# Allegro board 1140022-KU060_PCIE_FIBER_BOARD_V001_pcb166_20240120_1835_pcb.brd (continued)
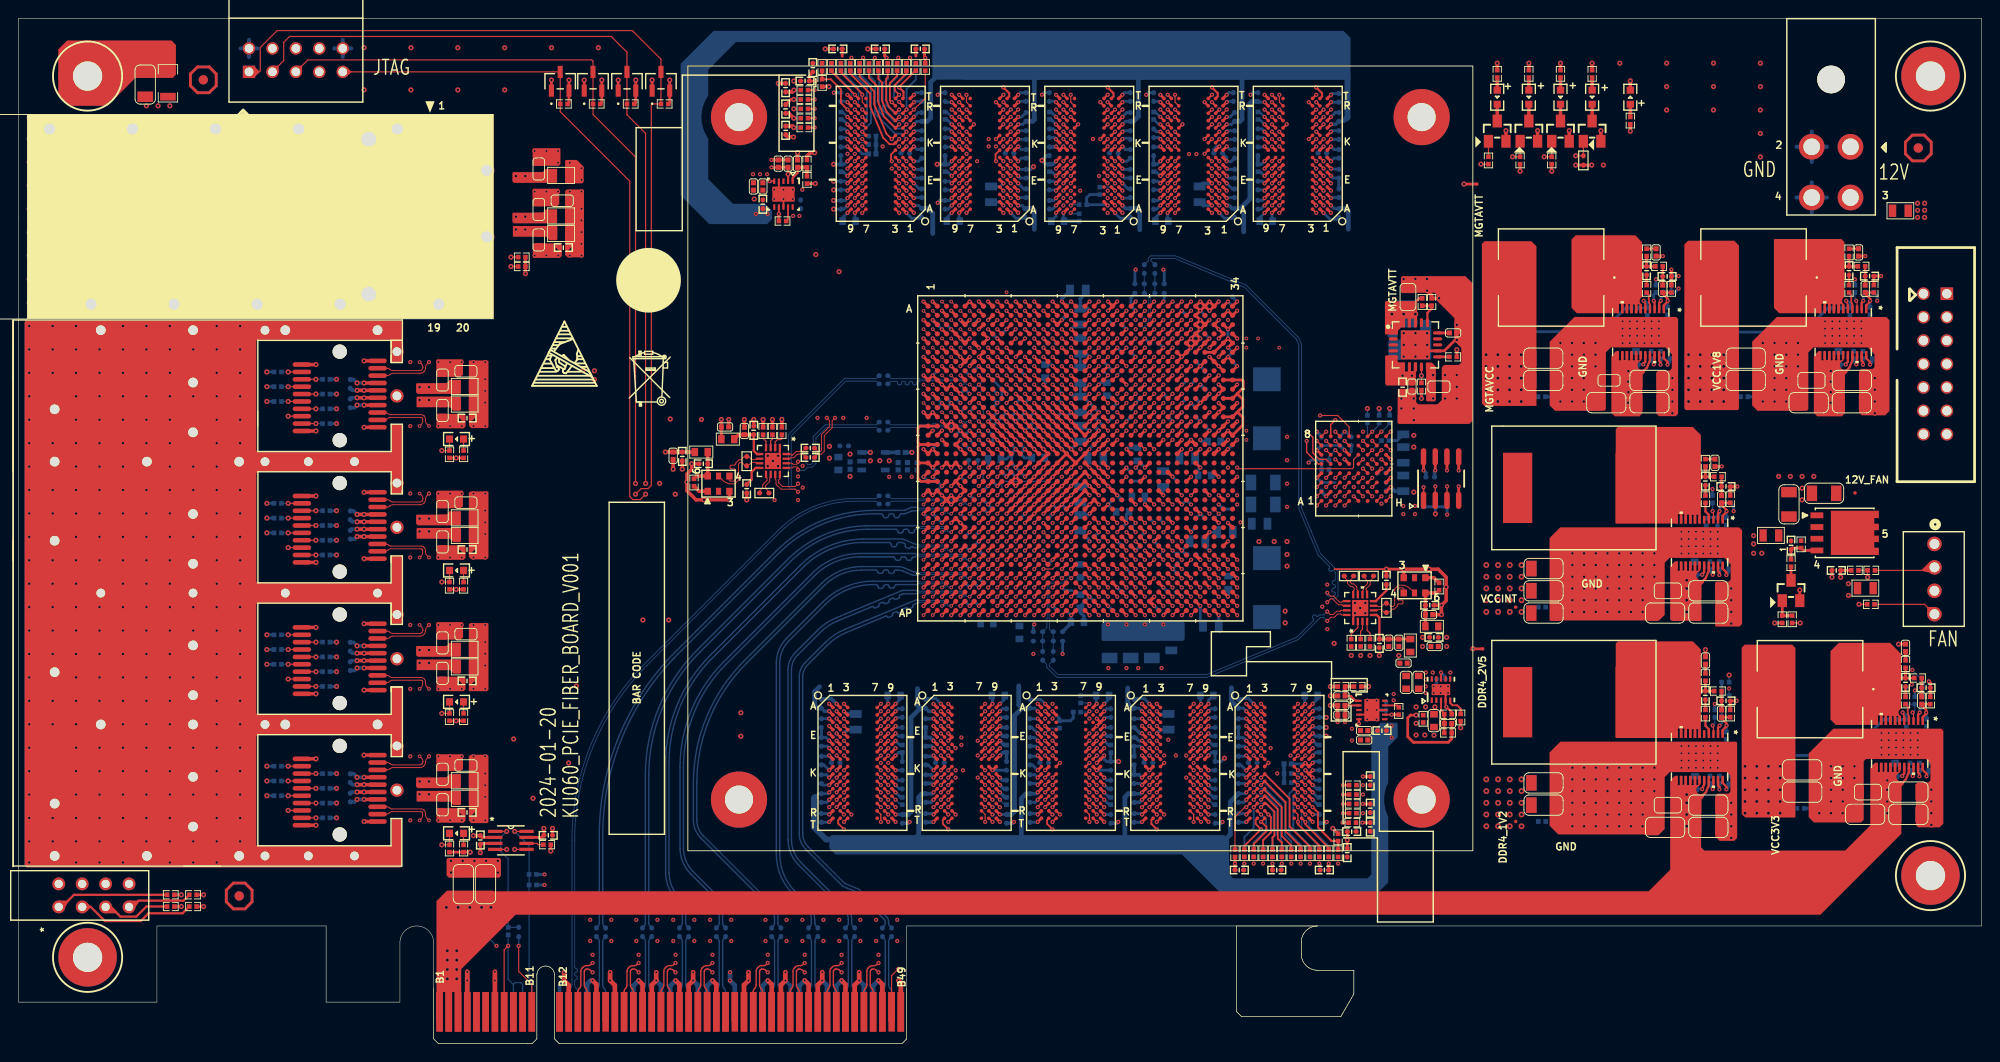
[diagram p0: board, top side]
## Routing (per net, layer and track width the routed paths; a pad name or vN(x,y) marks a point on that pad's centre or on a via; arc(x,y) is an arc through that point) (continued)
DDR4_1V2_EN: length 5.8
  TOP w0.254: U114.2 184.24,34.24 184.41,34.42 v1(184.41,34.49)
  BOTTOM w0.254: v1(184.41,34.49) 184.64,34.72 R655.1
  BOTTOM w0.305: R655.1 R849.1
DDR4_1V2_GOOD: length 58.6
  TOP w0.127: U114.3 183.74,34.39 v1(183.65,34.49)
  ART10 w0.086: v1(183.65,34.49) 183.65,34.98 184.89,36.22 184.89,36.83 186.49,38.43 186.49,44.81 189.99,48.31 189.99,58.8 180.16,68.63 180.16,81.03 180.54,81.41 180.54,82.64 v1(179.96,83.22)
  BOTTOM w0.127: v1(183.65,34.49) 183.89,34.73 R637.2
  BOTTOM w0.254: R658.2 v1(179.96,83.22)
DDR4_200M_N: length 7.1
  TOP w0.102: U129.7 147.27,47.47 147.37,47.37 147.73,47.37 148.11,47.75 R1285.2 148.44,47.75 148.8,47.39 149.01,47.39 149.18,47.57 149.18,49.31 149.57,49.7 150.2,49.7 150.55,49.55 150.83,49.37 X1.5
DDR4_200M_P: length 7
  TOP w0.102: U129.6 147.3,46.97 147.41,47.08 147.72,47.08 148.06,46.74 R1285.1 148.54,46.74 148.9,47.1 149.13,47.1 149.48,47.45 149.48,47.55 149.6,47.67 149.99,47.67 150.09,47.77 150.09,47.97 149.99,48.08 149.6,48.08 149.48,48.2 149.48,49.19 149.69,49.4 150.06,49.4 150.16,49.3 X1.4
FPGA_VCCO_GOOD: length 83.1
  ART03 w0.086: v1(179.96,81.86) 180.49,82.4 180.49,88.16 181.1,88.77 201.42,88.77 203.76,86.44 203.76,46.94 205.79,44.91 205.79,39.49 v1(205.23,38.93)
  BOTTOM w0.127: v1(205.23,38.93) 204.56,38.26 R987.1
  BOTTOM w0.254: R660.2 179.18,81.5 R658.1
  BOTTOM w0.305: R660.2 179.58,81.48 v1(179.96,81.86)
PCIE_PRSNT_N: length 11.9
  BOTTOM w0.127: U249.A1 45.65,11.13 46.38,11.86 R1238.1
PCIE_REFCLK_N: length 72.6
  BOTTOM w0.102: C72.2 93.15,58.66 arc(92.99,58.76) 92.81,58.8 90.64,58.8 arc(86.29,57.94) 82.6,55.47 68.15,41.02 arc(62.34,32.32) 60.3,22.07 60.3,8.28 arc(60.34,8.18) 60.44,8.14 arc(60.54,8.1) 60.58,8 60.58,7.87 arc(60.54,7.77) 60.44,7.73 arc(60.34,7.69) 60.3,7.59 60.3,7.47 arc(60.34,7.37) 60.44,7.32 arc(60.54,7.28) 60.58,7.18 60.58,7.06 arc(60.54,6.96) 60.44,6.92 arc(60.34,6.88) 60.3,6.78 60.3,6.38 arc(60.34,6.18) 60.45,6.02 60.5,5.96 arc(60.61,5.8) 60.65,5.6 U249.A14
PCIE_REFCLK_P: length 72.4
  BOTTOM w0.102: C70.2 93.15,59.24 arc(92.99,59.13) 92.81,59.1 90.64,59.1 arc(86.17,58.21) 82.39,55.68 67.94,41.23 arc(62.06,32.44) 60,22.07 60,6.38 arc(59.96,6.18) 59.85,6.02 59.8,5.96 arc(59.69,5.8) 59.65,5.6 U249.A13
PCIE_RST_N: length 21.6
  TOP w0.127: U154.8 v3(53.79,23)
  BOTTOM w0.127: U249.A11 55.65,6.78 55.35,7.08 R1242.2 R1241.1 55.35,21.44 v3(53.79,23)
PCIE_RST_N_LS: length 116.1
  TOP w0.127: U154.5 v3(53.79,21.05)
  TOP w0.155: U1.K22 v1(119.11,70.45)
  ART03 w0.086: v3(62.43,72.95) 62.99,72.39 62.99,71.73 54.84,63.58 54.84,22.1 v3(53.79,21.05)
  ART05 w0.086: v3(62.43,72.95) 62.71,72.67 93.12,72.67 95.9,69.89 118.54,69.89 v1(119.11,70.45)
PCIE_RXD_0_N: length 79
  TOP w0.15: U249.B15 61.65,5.61 arc(61.61,5.81) 61.5,5.97 61.48,5.99 arc(61.37,6.15) 61.34,6.34 61.34,7.84 arc(61.35,7.89) 61.38,7.93 61.48,8.04 arc(61.52,8.07) 61.58,8.08 61.71,8.08 arc(61.86,8.05) 61.99,7.96 v1(62.23,7.72) ; v2(98.11,58.45) U1.AB1
  ART12 w0.114: v2(98.11,58.45) 98.11,58.41 arc(98.07,58.33) 97.99,58.29 97.38,58.29 arc(97.29,58.33) 97.25,58.42 arc(97.22,58.51) 97.13,58.55 96.92,58.55 arc(96.83,58.51) 96.8,58.42 arc(96.76,58.33) 96.67,58.29 88.59,58.29 arc(86.85,57.95) 85.37,56.96 70.56,42.15 arc(63.19,31.11) 60.6,18.1 60.6,8.92 arc(60.64,8.72) 60.75,8.56 61.06,8.25 arc(61.23,8.14) 61.42,8.1 61.98,8.1 arc(62.16,8.02) 62.23,7.85 v1(62.23,7.72)
PCIE_RXD_0_P: length 79
  TOP w0.15: v1(62.23,8.74) 62.07,8.58 arc(61.93,8.48) 61.75,8.45 61.58,8.45 arc(61.38,8.41) 61.22,8.3 61.11,8.2 arc(61,8.03) 60.96,7.84 60.96,6.34 arc(60.93,6.15) 60.82,5.99 60.8,5.97 arc(60.69,5.81) 60.65,5.62 U249.B14 ; v2(99.11,58.45) U1.AB2
  ART12 w0.114: v2(99.11,58.45) 98.74,58.08 arc(98.57,57.97) 98.38,57.93 88.59,57.93 arc(86.99,57.61) 85.63,56.71 70.81,41.89 arc(63.52,30.98) 60.96,18.1 60.96,8.92 arc(60.97,8.86) 61,8.81 61.32,8.5 arc(61.36,8.47) 61.42,8.46 61.76,8.46 arc(61.94,8.49) 62.08,8.59 v1(62.23,8.74)
PCIE_RXD_1_N: length 75.9
  TOP w0.15: v2(98.11,56.45) U1.AD1 ; v1(67.23,7.72) 66.99,7.96 arc(66.86,8.05) 66.71,8.08 66.58,8.08 arc(66.52,8.07) 66.48,8.04 66.38,7.93 arc(66.35,7.89) 66.34,7.84 66.34,6.34 arc(66.37,6.15) 66.48,5.99 66.5,5.97 arc(66.61,5.81) 66.65,5.61 U249.B20
  ART12 w0.114: v2(98.11,56.45) 98.11,56.41 arc(98.07,56.33) 97.99,56.29 97.41,56.29 arc(97.33,56.33) 97.3,56.4 arc(97.27,56.48) 97.19,56.52 96.95,56.52 arc(96.88,56.48) 96.84,56.4 arc(96.81,56.33) 96.73,56.29 96.5,56.29 arc(96.42,56.33) 96.39,56.4 arc(96.35,56.48) 96.28,56.52 96.04,56.52 arc(95.96,56.48) 95.93,56.4 arc(95.9,56.33) 95.82,56.29 88.39,56.29 arc(86.64,55.94) 85.15,54.95 73.2,43 arc(67.45,34.39) 65.43,24.23 65.43,8.56 arc(65.57,8.2) 65.93,8.05 66.69,8.05 arc(66.89,8.01) 67.05,7.9 v1(67.23,7.72)
PCIE_RXD_1_P: length 75.9
  TOP w0.15: U249.B19 65.65,5.62 arc(65.69,5.81) 65.8,5.97 65.82,5.99 arc(65.93,6.15) 65.96,6.34 65.96,7.84 arc(66,8.03) 66.11,8.2 66.22,8.3 arc(66.38,8.41) 66.58,8.45 66.75,8.45 arc(66.93,8.48) 67.07,8.58 v1(67.23,8.74) ; v2(99.11,56.45) U1.AD2
  ART12 w0.114: v2(99.11,56.45) 98.74,56.08 arc(98.57,55.97) 98.38,55.93 88.39,55.93 arc(86.78,55.61) 85.41,54.7 73.46,42.75 arc(67.78,34.25) 65.79,24.23 65.79,8.56 arc(65.83,8.45) 65.93,8.41 66.69,8.41 arc(66.89,8.45) 67.05,8.56 v1(67.23,8.74)
PCIE_RXD_2_N: length 71.8
  TOP w0.15: v2(98.11,54.45) U1.AF1 ; U249.B24 70.65,5.61 arc(70.61,5.81) 70.5,5.97 70.48,5.99 arc(70.37,6.15) 70.34,6.34 70.34,7.84 arc(70.35,7.89) 70.38,7.93 70.48,8.04 arc(70.52,8.07) 70.58,8.08 70.71,8.08 arc(70.86,8.05) 70.99,7.96 v1(71.23,7.72)
  ART12 w0.114: v2(98.11,54.45) 98.11,54.41 arc(98.07,54.33) 97.99,54.29 97.45,54.29 arc(97.38,54.32) 97.35,54.4 arc(97.31,54.48) 97.24,54.51 97,54.51 arc(96.92,54.48) 96.89,54.4 arc(96.86,54.32) 96.78,54.29 96.54,54.29 arc(96.46,54.32) 96.43,54.4 arc(96.4,54.48) 96.32,54.51 96.08,54.51 arc(96.01,54.48) 95.97,54.4 arc(95.94,54.32) 95.87,54.29 88.75,54.29 arc(86.36,53.82) 84.34,52.46 75.28,43.4 arc(71.43,37.64) 70.07,30.84 70.07,8.53 arc(70.21,8.19) 70.55,8.05 70.69,8.05 arc(70.89,8.01) 71.05,7.9 v1(71.23,7.72)
PCIE_RXD_2_P: length 71.8
  TOP w0.15: v2(99.11,54.45) U1.AF2 ; U249.B23 69.65,5.62 arc(69.69,5.81) 69.8,5.97 69.82,5.99 arc(69.93,6.15) 69.96,6.34 69.96,7.84 arc(70,8.03) 70.11,8.2 70.22,8.3 arc(70.38,8.41) 70.58,8.45 70.75,8.45 arc(70.93,8.48) 71.07,8.58 v1(71.23,8.74)
  ART12 w0.114: v1(71.23,8.74) 71.05,8.56 arc(70.89,8.45) 70.69,8.41 70.55,8.41 arc(70.47,8.44) 70.43,8.53 70.43,30.84 arc(71.76,37.5) 75.53,43.15 84.59,52.21 arc(86.5,53.48) 88.75,53.93 98.38,53.93 arc(98.57,53.97) 98.74,54.08 v2(99.11,54.45)
PCIE_RXD_3_N: length 70
  TOP w0.15: v1(75.23,7.72) 74.99,7.96 arc(74.86,8.05) 74.71,8.08 74.58,8.08 arc(74.52,8.07) 74.48,8.04 74.38,7.93 arc(74.35,7.89) 74.34,7.84 74.34,6.34 arc(74.37,6.15) 74.48,5.99 74.5,5.97 arc(74.61,5.81) 74.65,5.61 U249.B28 ; U1.AH1 v2(98.11,52.45)
  ART12 w0.114: v1(75.23,7.72) 75.05,7.9 arc(74.89,8.01) 74.69,8.05 74.64,8.05 arc(74.44,8.09) 74.28,8.2 74.01,8.47 arc(73.9,8.63) 73.86,8.83 73.86,14.82 arc(73.72,15.52) 73.33,16.11 72.33,17.1 arc(72.01,17.57) 71.9,18.14 71.9,31.4 arc(73.16,37.75) 76.76,43.13 84.42,50.79 arc(86.09,51.9) 88.05,52.29 95.84,52.29 arc(95.92,52.32) 95.95,52.4 arc(95.98,52.47) 96.05,52.5 96.3,52.5 arc(96.37,52.47) 96.4,52.4 arc(96.43,52.32) 96.51,52.29 96.76,52.29 arc(96.83,52.32) 96.86,52.4 arc(96.89,52.47) 96.96,52.5 97.21,52.5 arc(97.29,52.47) 97.32,52.4 arc(97.35,52.32) 97.42,52.29 97.99,52.29 arc(98.07,52.33) 98.11,52.41 v2(98.11,52.45)
PCIE_RXD_3_P: length 70
  TOP w0.15: v1(75.23,8.74) 75.07,8.58 arc(74.93,8.48) 74.75,8.45 74.58,8.45 arc(74.38,8.41) 74.22,8.3 74.11,8.2 arc(74,8.03) 73.96,7.84 73.96,6.34 arc(73.93,6.15) 73.82,5.99 73.8,5.97 arc(73.69,5.81) 73.65,5.62 U249.B27 ; U1.AH2 v2(99.11,52.45)
  ART12 w0.114: v2(99.11,52.45) 98.74,52.08 arc(98.57,51.97) 98.38,51.93 88.05,51.93 arc(86.22,51.57) 84.67,50.53 77.01,42.87 arc(73.5,37.61) 72.26,31.4 72.26,18.14 arc(72.35,17.71) 72.59,17.35 73.58,16.36 arc(74.05,15.65) 74.22,14.82 74.22,8.83 arc(74.23,8.77) 74.26,8.72 74.53,8.45 arc(74.58,8.42) 74.64,8.41 74.75,8.41 arc(74.89,8.44) 75.01,8.52 v1(75.23,8.74)
PCIE_RXD_4_N: length 71.7
  TOP w0.15: U249.B34 80.65,5.61 arc(80.61,5.81) 80.5,5.97 80.48,5.99 arc(80.37,6.15) 80.34,6.34 80.34,7.84 arc(80.35,7.89) 80.38,7.93 80.48,8.04 arc(80.52,8.07) 80.58,8.08 80.71,8.08 arc(80.86,8.05) 80.99,7.96 v1(81.23,7.72) ; v2(100.11,51.45) U1.AJ3
  ART12 w0.102: 97.54,51.13 97.56,51.13 97.61,51.09 arc(97.65,51.06) 97.69,51.05 100.35,51.05 arc(100.46,51.1) 100.51,51.21 100.51,51.26 arc(100.45,51.4) 100.32,51.45 v2(100.11,51.45)
  ART12 w0.114: 97.54,51.13 88.24,51.13 arc(86.58,50.8) 85.17,49.86 79.26,43.95 arc(75.19,37.86) 73.76,30.68 73.76,21.81 arc(74.09,20.15) 75.04,18.74 77.22,16.55 arc(78.04,15.33) 78.33,13.88 78.33,10.54 arc(78.43,10.03) 78.72,9.6 79.96,8.35 arc(80.3,8.13) 80.69,8.05 arc(80.89,8.01) 81.05,7.9 v1(81.23,7.72)
PCIE_RXD_4_P: length 71.8
  TOP w0.15: v2(101.11,51.45) U1.AJ4 ; v1(81.23,8.74) 81.07,8.58 arc(80.93,8.48) 80.75,8.45 80.58,8.45 arc(80.38,8.41) 80.22,8.3 80.11,8.2 arc(80,8.03) 79.96,7.84 79.96,6.34 arc(79.93,6.15) 79.82,5.99 79.8,5.97 arc(79.69,5.81) 79.65,5.62 U249.B33
  ART12 w0.102: 97.54,50.77 97.56,50.77 97.61,50.82 arc(97.65,50.84) 97.69,50.85 100.35,50.85 arc(100.61,50.95) 100.71,51.21 100.71,51.26 arc(100.77,51.4) 100.9,51.45 v2(101.11,51.45)
  ART12 w0.114: v1(81.23,8.74) 81.05,8.56 arc(80.89,8.45) 80.69,8.41 arc(80.43,8.46) 80.22,8.61 80.02,8.8 arc(79.98,8.89) 80.02,8.98 arc(80.06,9.07) 80.02,9.16 79.87,9.31 arc(79.78,9.34) 79.7,9.31 arc(79.61,9.27) 79.52,9.31 78.97,9.85 arc(78.76,10.17) 78.69,10.54 78.69,13.88 arc(78.37,15.47) 77.48,16.81 75.29,18.99 arc(74.43,20.29) 74.12,21.81 74.12,30.68 arc(75.52,37.73) 79.51,43.69 85.42,49.6 arc(86.71,50.47) 88.24,50.77 97.54,50.77
PCIE_RXD_5_N: length 64.3
  TOP w0.15: v2(98.11,50.45) U1.AK1 ; U249.B38 84.65,5.61 arc(84.61,5.81) 84.5,5.97 84.48,5.99 arc(84.37,6.15) 84.34,6.34 84.34,7.84 arc(84.35,7.89) 84.38,7.93 84.48,8.04 arc(84.52,8.07) 84.58,8.08 84.71,8.08 arc(84.86,8.05) 84.99,7.96 v1(85.23,7.72)
  ART12 w0.114: v2(98.11,50.45) 98.11,50.41 arc(98.07,50.33) 97.99,50.29 97.57,50.29 arc(97.38,50.25) 97.21,50.14 97.1,50.03 arc(96.85,49.87) 96.56,49.81 96.15,49.81 arc(96.08,49.84) 96.05,49.91 arc(96.02,49.98) 95.95,50.01 95.7,50.01 arc(95.63,49.98) 95.6,49.91 arc(95.57,49.84) 95.49,49.81 95.24,49.81 arc(95.17,49.84) 95.14,49.91 arc(95.11,49.98) 95.04,50.01 94.78,50.01 arc(94.71,49.98) 94.68,49.91 arc(94.65,49.84) 94.58,49.81 88.74,49.81 arc(87.22,49.51) 85.93,48.65 81.54,44.25 arc(81.12,43.62) 80.97,42.88 80.97,17.87 arc(81.2,16.73) 81.84,15.77 83.66,13.95 arc(83.87,13.64) 83.94,13.27 83.94,13.28 83.94,8.65 arc(83.98,8.45) 84.09,8.29 84.18,8.2 arc(84.34,8.09) 84.54,8.05 84.69,8.05 arc(84.89,8.01) 85.05,7.9 v1(85.23,7.72)
PCIE_RXD_5_P: length 64.3
  TOP w0.15: v1(85.23,8.74) 85.07,8.58 arc(84.93,8.48) 84.75,8.45 84.58,8.45 arc(84.38,8.41) 84.22,8.3 84.11,8.2 arc(84,8.03) 83.96,7.84 83.96,6.34 arc(83.93,6.15) 83.82,5.99 83.8,5.97 arc(83.69,5.81) 83.65,5.62 U249.B37 ; v2(99.11,50.45) U1.AK2
  ART12 w0.114: v1(85.23,8.74) 85.04,8.55 arc(84.89,8.45) 84.7,8.41 84.54,8.41 arc(84.48,8.42) 84.43,8.45 84.35,8.54 arc(84.31,8.59) 84.3,8.65 84.3,13.27 arc(84.2,13.78) 83.92,14.2 82.09,16.03 arc(81.53,16.87) 81.33,17.87 81.33,42.88 arc(81.45,43.48) 81.79,43.99 86.19,48.39 arc(87.36,49.17) 88.74,49.45 96.56,49.45 arc(96.99,49.53) 97.35,49.78 97.47,49.89 arc(97.51,49.92) 97.57,49.93 98.38,49.93 arc(98.57,49.97) 98.74,50.08 v2(99.11,50.45)
PCIE_RXD_6_N: length 63.1
  TOP w0.15: v1(89.23,7.72) 88.99,7.96 arc(88.86,8.05) 88.71,8.08 88.58,8.08 arc(88.52,8.07) 88.48,8.04 88.38,7.93 arc(88.35,7.89) 88.34,7.84 88.34,6.34 arc(88.37,6.15) 88.48,5.99 88.5,5.97 arc(88.61,5.81) 88.65,5.61 U249.B42 ; v2(98.11,48.45) U1.AM1
  ART12 w0.114: v1(89.23,7.72) 89.05,7.9 arc(88.89,8.01) 88.69,8.05 88.39,8.05 arc(88.03,8.2) 87.88,8.56 87.88,13.2 arc(87.79,13.65) 87.54,14.04 82.94,18.63 arc(82.38,19.46) 82.19,20.44 82.19,41.76 arc(82.43,42.95) 83.1,43.97 86.02,46.88 arc(87.58,47.93) 89.42,48.29 95.96,48.29 arc(96.03,48.32) 96.06,48.39 arc(96.09,48.46) 96.15,48.49 96.42,48.49 arc(96.49,48.46) 96.51,48.39 arc(96.54,48.32) 96.61,48.29 96.87,48.29 arc(96.94,48.32) 96.97,48.39 arc(97,48.46) 97.07,48.49 97.33,48.49 arc(97.4,48.46) 97.43,48.39 arc(97.46,48.32) 97.53,48.29 97.99,48.29 arc(98.07,48.33) 98.11,48.41 v2(98.11,48.45)
PCIE_RXD_6_P: length 63.1
  TOP w0.15: U249.B41 87.65,5.62 arc(87.69,5.81) 87.8,5.97 87.82,5.99 arc(87.93,6.15) 87.96,6.34 87.96,7.84 arc(88,8.03) 88.11,8.2 88.22,8.3 arc(88.38,8.41) 88.58,8.45 88.75,8.45 arc(88.93,8.48) 89.07,8.58 v1(89.23,8.74) ; v2(99.11,48.45) U1.AM2
  ART12 w0.114: v1(89.23,8.74) 89.05,8.56 arc(88.89,8.45) 88.69,8.41 88.39,8.41 arc(88.29,8.45) 88.24,8.56 88.24,13.2 arc(88.13,13.79) 87.79,14.29 83.19,18.89 arc(82.72,19.6) 82.55,20.44 82.55,41.76 arc(82.76,42.81) 83.36,43.71 86.28,46.63 arc(87.72,47.59) 89.42,47.93 98.38,47.93 arc(98.57,47.97) 98.74,48.08 v2(99.11,48.45)
PCIE_RXD_7_N: length 61.8
  TOP w0.15: v2(98.11,46.45) U1.AP1 ; U249.B46 92.65,5.61 arc(92.61,5.81) 92.5,5.97 92.48,5.99 arc(92.37,6.15) 92.34,6.34 92.34,7.84 arc(92.35,7.89) 92.38,7.93 92.48,8.04 arc(92.52,8.07) 92.58,8.08 92.71,8.08 arc(92.86,8.05) 92.99,7.96 v1(93.23,7.72)
  ART12 w0.114: v1(93.23,7.72) 93.05,7.9 arc(92.89,8.01) 92.69,8.05 92.44,8.05 arc(92.25,8.09) 92.08,8.2 91.91,8.36 arc(91.8,8.53) 91.77,8.72 91.77,13.3 arc(91.69,13.69) 91.47,14.02 84.33,21.16 arc(83.63,22.2) 83.39,23.42 83.39,40.97 arc(83.61,42.08) 84.23,43.01 86.8,45.58 arc(87.59,46.11) 88.53,46.29 95.94,46.29 arc(96.02,46.32) 96.05,46.4 arc(96.08,46.48) 96.16,46.51 96.4,46.51 arc(96.48,46.48) 96.51,46.4 arc(96.54,46.32) 96.61,46.29 96.86,46.29 arc(96.93,46.32) 96.96,46.4 arc(97,46.48) 97.07,46.51 97.31,46.51 arc(97.39,46.48) 97.42,46.4 arc(97.45,46.32) 97.53,46.29 97.99,46.29 arc(98.07,46.33) 98.11,46.41 v2(98.11,46.45)
PCIE_RXD_7_P: length 61.8
  TOP w0.15: U249.B45 91.65,5.62 arc(91.69,5.81) 91.8,5.97 91.82,5.99 arc(91.93,6.15) 91.96,6.34 91.96,7.84 arc(92,8.03) 92.11,8.2 92.22,8.3 arc(92.38,8.41) 92.58,8.45 92.75,8.45 arc(92.93,8.48) 93.07,8.58 v1(93.23,8.74) ; v2(99.11,46.45) U1.AP2
  ART12 w0.114: v2(99.11,46.45) 98.74,46.08 arc(98.57,45.97) 98.38,45.93 88.53,45.93 arc(87.73,45.77) 87.05,45.32 84.49,42.75 arc(83.94,41.94) 83.75,40.97 83.75,23.42 arc(83.97,22.33) 84.58,21.41 91.72,14.27 arc(92.02,13.83) 92.13,13.3 92.13,8.72 arc(92.14,8.67) 92.17,8.62 92.34,8.45 arc(92.38,8.42) 92.44,8.41 92.69,8.41 arc(92.89,8.45) 93.05,8.56 v1(93.23,8.74)
PCIE_TXD_0_N: length 69.1
  TOP w0.15: U1.AC3 v2(100.11,57.45)
  BOTTOM w0.102: v2(100.11,57.45) 100.32,57.45 arc(100.45,57.51) 100.51,57.64 100.51,57.7 arc(100.46,57.8) 100.35,57.85 97.53,57.85 97.45,57.77 97.43,57.77
  BOTTOM w0.15: C2496.1 63.48,12.71 arc(63.37,12.87) 63.34,13.06 63.34,22.58 arc(65.45,33.2) 71.47,42.21 82.42,53.16 arc(87.16,56.33) 92.76,57.44 93.52,57.44 arc(93.66,57.38) 93.72,57.23 arc(93.78,57.08) 93.93,57.02 94.12,57.02 arc(94.26,57.08) 94.32,57.23 arc(94.38,57.38) 94.53,57.44 94.71,57.44 arc(94.86,57.38) 94.92,57.23 arc(94.98,57.08) 95.13,57.02 95.31,57.02 arc(95.46,57.08) 95.52,57.23 arc(95.58,57.38) 95.73,57.44 95.99,57.44 arc(96.09,57.45) 96.19,57.48 96.79,57.73 arc(96.88,57.76) 96.98,57.77 97.43,57.77
PCIE_TXD_0_P: length 69
  TOP w0.15: U1.AC4 v2(101.11,57.45)
  BOTTOM w0.102: v2(101.11,57.45) 100.9,57.45 arc(100.77,57.51) 100.71,57.64 100.71,57.7 arc(100.61,57.95) 100.35,58.05 97.59,58.05 arc(97.55,58.06) 97.51,58.09 97.46,58.14 97.43,58.14
  BOTTOM w0.15: C2497.1 62.82,12.71 arc(62.93,12.87) 62.96,13.06 62.96,22.58 arc(65.11,33.34) 71.2,42.47 82.15,53.42 arc(87.02,56.67) 92.76,57.81 95.99,57.81 arc(96.02,57.81) 96.05,57.82 96.74,58.11 96.77,58.14 97.43,58.14
PCIE_TXD_1_N: length 65.4
  TOP w0.155: U1.AE3 v2(100.11,55.45)
  BOTTOM w0.102: 97.43,55.77 97.46,55.77 97.51,55.81 arc(97.55,55.84) 97.59,55.85 100.32,55.85 arc(100.45,55.79) 100.51,55.66 100.51,55.64 arc(100.45,55.51) 100.32,55.45 v2(100.11,55.45)
  BOTTOM w0.15: 97.43,55.77 97.3,55.77 arc(97.16,55.71) 97.1,55.57 arc(97.05,55.43) 96.91,55.37 96.7,55.37 arc(96.56,55.43) 96.5,55.57 arc(96.45,55.71) 96.31,55.77 96.1,55.77 arc(95.96,55.71) 95.9,55.57 arc(95.85,55.43) 95.71,55.37 95.5,55.37 arc(95.36,55.43) 95.31,55.57 arc(95.25,55.71) 95.11,55.77 92.11,55.77 arc(87.56,54.86) 83.7,52.28 73.87,42.45 arc(69.77,36.31) 68.33,29.07 68.33,13.07 arc(68.36,12.88) 68.47,12.71 C2494.1
PCIE_TXD_1_P: length 65.4
  TOP w0.155: U1.AE4 v2(101.11,55.45)
  BOTTOM w0.102: 97.43,56.14 97.45,56.14 97.53,56.05 100.32,56.05 arc(100.6,55.94) 100.71,55.66 100.71,55.64 arc(100.77,55.51) 100.9,55.45 v2(101.11,55.45)
  BOTTOM w0.15: 97.43,56.14 92.11,56.14 arc(87.42,55.2) 83.44,52.54 73.61,42.71 arc(69.42,36.45) 67.96,29.07 67.96,13.04 arc(67.92,12.86) 67.81,12.7 C2495.1
PCIE_TXD_2_N: length 63.6
  TOP w0.155: U1.AG3 v2(100.11,53.45)
  BOTTOM w0.102: v2(100.11,53.45) 100.32,53.45 arc(100.45,53.51) 100.51,53.64 100.51,53.7 arc(100.46,53.8) 100.35,53.85 97.59,53.85 arc(97.55,53.84) 97.51,53.81 97.46,53.77 97.43,53.77
  BOTTOM w0.15: C2492.1 72.47,12.71 arc(72.36,12.88) 72.33,13.07 72.33,14.22 arc(72.16,15.03) 71.71,15.72 arc(70.83,17.03) 70.53,18.57 70.53,30.43 arc(71.75,36.6) 75.25,41.83 85.02,51.6 arc(88.04,53.62) 91.61,54.33 94.38,54.33 arc(94.54,54.26) 94.61,54.1 arc(94.68,53.94) 94.84,53.87 94.98,53.87 arc(95.14,53.94) 95.21,54.1 arc(95.28,54.26) 95.44,54.33 95.79,54.33 96.04,54.23 arc(96.13,54.14) 96.13,54.01 arc(96.13,53.89) 96.22,53.8 96.47,53.7 arc(96.59,53.7) 96.68,53.78 arc(96.77,53.87) 96.9,53.87 97.16,53.77 97.43,53.77
PCIE_TXD_2_P: length 63.6
  TOP w0.155: U1.AG4 v2(101.11,53.45)
  BOTTOM w0.102: 97.43,54.14 97.46,54.14 97.51,54.09 arc(97.55,54.06) 97.59,54.05 100.35,54.05 arc(100.61,53.95) 100.71,53.7 100.71,53.64 arc(100.77,53.51) 100.9,53.45 v2(101.11,53.45)
  BOTTOM w0.15: C2493.1 71.81,12.7 arc(71.92,12.86) 71.96,13.04 71.96,14.22 71.95,14.22 arc(71.83,14.88) 71.46,15.44 arc(70.49,16.88) 70.15,18.57 70.15,30.43 arc(71.41,36.74) 74.98,42.09 84.76,51.87 arc(87.9,53.96) 91.61,54.7 95.87,54.7 97.23,54.14 97.43,54.14
PCIE_TXD_3_N: length 64
  TOP w0.155: U1.AH5 v2(102.11,52.45)
  BOTTOM w0.102: 97.18,52.77 97.21,52.77 97.25,52.81 arc(97.29,52.84) 97.34,52.85 102.26,52.85 arc(102.35,52.83) 102.42,52.78 102.44,52.76 arc(102.49,52.69) 102.51,52.6 102.51,52.55 arc(102.48,52.48) 102.41,52.45 v2(102.11,52.45)
  BOTTOM w0.15: 97.18,52.77 97.02,52.77 arc(96.89,52.71) 96.84,52.58 arc(96.78,52.45) 96.65,52.4 96.42,52.4 arc(96.29,52.45) 96.24,52.58 arc(96.18,52.71) 96.05,52.77 95.82,52.77 arc(95.69,52.71) 95.64,52.58 arc(95.58,52.45) 95.46,52.4 95.22,52.4 arc(95.09,52.45) 95.04,52.58 arc(94.98,52.71) 94.86,52.77 91.22,52.77 arc(88.56,52.24) 86.31,50.73 76.72,41.15 arc(73.29,36.01) 72.09,29.95 72.09,21.18 arc(72.36,19.81) 73.13,18.65 75.58,16.21 arc(76.13,15.38) 76.33,14.4 76.33,13.07 arc(76.36,12.88) 76.47,12.71 C2490.1
PCIE_TXD_3_P: length 64
  TOP w0.155: U1.AH6 v2(103.11,52.45)
  BOTTOM w0.102: v2(103.11,52.45) 102.81,52.45 arc(102.74,52.48) 102.71,52.55 102.71,52.6 arc(102.68,52.77) 102.58,52.91 102.57,52.93 arc(102.42,53.02) 102.26,53.05 97.34,53.05 arc(97.29,53.06) 97.25,53.09 97.21,53.14 97.18,53.14
  BOTTOM w0.15: 97.18,53.14 91.22,53.14 arc(88.42,52.58) 86.05,50.99 76.46,41.41 arc(72.95,36.15) 71.71,29.95 71.71,21.18 arc(72.02,19.67) 72.87,18.39 75.32,15.95 arc(75.79,15.24) 75.96,14.4 75.96,13.04 arc(75.92,12.86) 75.81,12.7 C2491.1
PCIE_TXD_4_N: length 63.5
  TOP w0.155: U1.AK5 v2(102.11,50.45)
  BOTTOM w0.102: 97.31,50.77 97.33,50.77 97.38,50.81 arc(97.42,50.84) 97.47,50.85 102.32,50.85 arc(102.45,50.79) 102.51,50.66 102.51,50.64 arc(102.45,50.51) 102.32,50.45 v2(102.11,50.45)
  BOTTOM w0.15: 97.31,50.77 97.09,50.77 arc(96.99,50.77) 96.9,50.8 95.87,51.23 arc(95.59,51.32) 95.3,51.34 95.11,51.34 arc(94.98,51.29) 94.92,51.16 arc(94.87,51.03) 94.74,50.98 94.51,50.98 arc(94.38,51.03) 94.32,51.16 arc(94.27,51.29) 94.14,51.34 93.91,51.34 arc(93.78,51.29) 93.73,51.16 arc(93.67,51.03) 93.54,50.98 93.31,50.98 arc(93.18,51.03) 93.13,51.16 arc(93.07,51.29) 92.94,51.34 91.39,51.34 arc(89.22,50.91) 87.37,49.68 78.91,41.22 arc(74.93,35.26) 73.53,28.23 73.53,24.23 arc(73.72,23.32) 74.23,22.54 81.78,15 arc(82.18,14.39) 82.33,13.67 82.33,13.07 arc(82.36,12.88) 82.47,12.71 C2488.1
PCIE_TXD_4_P: length 63.6
  TOP w0.155: U1.AK6 v2(103.11,50.45)
  BOTTOM w0.102: v2(103.11,50.45) 102.9,50.45 arc(102.77,50.51) 102.71,50.64 102.71,50.66 arc(102.6,50.94) 102.32,51.05 97.47,51.05 arc(97.42,51.06) 97.38,51.09 97.33,51.14 97.31,51.14
  BOTTOM w0.15: C2489.1 81.81,12.7 arc(81.92,12.86) 81.96,13.04 81.96,13.67 81.95,13.67 arc(81.84,14.25) 81.52,14.73 73.97,22.28 arc(73.37,23.17) 73.16,24.23 73.16,28.23 arc(74.59,35.4) 78.65,41.48 87.11,49.94 arc(89.07,51.25) 91.39,51.71 95.3,51.71 arc(95.66,51.68) 96.01,51.57 97.04,51.15 arc(97.06,51.14) 97.09,51.14 97.31,51.14
PCIE_TXD_5_N: length 54.2
  TOP w0.15: U1.AL3 v2(100.11,49.45)
  BOTTOM w0.102: v2(100.11,49.45) 100.32,49.45 arc(100.45,49.51) 100.51,49.64 100.51,49.7 arc(100.46,49.8) 100.35,49.85 97.59,49.85 arc(97.55,49.84) 97.51,49.81 97.46,49.77 97.43,49.77
  BOTTOM w0.15: C2486.1 86.47,12.71 arc(86.36,12.88) 86.33,13.07 86.33,13.34 arc(86.14,14.28) 85.61,15.08 84.21,16.48 arc(82.96,18.34) 82.52,20.54 82.52,41.25 arc(82.79,42.57) 83.54,43.69 87.46,47.61 arc(89.84,49.21) 92.65,49.77 92.97,49.77 arc(93.11,49.7) 93.17,49.56 arc(93.23,49.41) 93.38,49.35 93.57,49.35 arc(93.71,49.41) 93.77,49.56 arc(93.83,49.7) 93.98,49.77 94.16,49.77 arc(94.31,49.7) 94.37,49.56 arc(94.42,49.45) 94.52,49.41 94.82,49.41 arc(94.93,49.45) 94.97,49.56 arc(95.03,49.7) 95.18,49.77 97.43,49.77
PCIE_TXD_5_P: length 54.2
  TOP w0.15: U1.AL4 v2(101.11,49.45)
  BOTTOM w0.102: v2(101.11,49.45) 100.9,49.45 arc(100.77,49.51) 100.71,49.64 100.71,49.7 arc(100.61,49.95) 100.35,50.05 97.59,50.05 arc(97.55,50.06) 97.51,50.09 97.46,50.14 97.43,50.14
  BOTTOM w0.15: C2487.1 85.81,12.7 arc(85.92,12.86) 85.96,13.04 85.96,13.34 85.95,13.34 arc(85.8,14.14) 85.34,14.82 83.94,16.22 arc(82.62,18.2) 82.15,20.54 82.15,41.25 arc(82.44,42.71) 83.27,43.95 87.19,47.87 arc(89.7,49.55) 92.65,50.14 97.43,50.14
PCIE_TXD_6_N: length 54.7
  TOP w0.155: U1.AM5 v1(102.11,48.45)
  BOTTOM w0.102: 97.31,48.77 97.33,48.77 97.38,48.81 arc(97.42,48.84) 97.47,48.85 102.26,48.85 arc(102.35,48.83) 102.42,48.78 102.44,48.76 arc(102.49,48.69) 102.51,48.6 102.51,48.55 arc(102.48,48.48) 102.41,48.45 v1(102.11,48.45)
  BOTTOM w0.15: 97.31,48.77 95.92,48.77 arc(95.89,48.76) 95.86,48.75 95.56,48.63 arc(95.49,48.56) 95.49,48.46 arc(95.49,48.36) 95.42,48.29 95.11,48.16 arc(95.01,48.16) 94.94,48.23 arc(94.87,48.3) 94.77,48.3 94.45,48.17 arc(94.38,48.1) 94.38,48 arc(94.38,47.9) 94.31,47.83 94,47.7 arc(93.9,47.7) 93.83,47.77 arc(93.76,47.84) 93.66,47.84 93.35,47.71 arc(93.28,47.64) 93.28,47.54 arc(93.28,47.44) 93.21,47.37 92.89,47.24 arc(92.79,47.24) 92.72,47.31 arc(92.65,47.38) 92.55,47.38 88.78,45.82 arc(87.79,45.29) 86.92,44.58 84.45,42.1 arc(83.96,41.38) 83.79,40.53 83.79,22.11 arc(84.06,20.78) 84.82,19.64 89.86,14.6 arc(90.21,14.09) 90.33,13.48 90.33,13.07 arc(90.36,12.88) 90.47,12.71 C2484.1
PCIE_TXD_6_P: length 54.7
  TOP w0.155: U1.AM6 v2(103.11,48.45)
  BOTTOM w0.102: v2(103.11,48.45) 102.81,48.45 arc(102.74,48.48) 102.71,48.55 102.71,48.6 arc(102.68,48.77) 102.58,48.91 102.57,48.93 arc(102.42,49.02) 102.26,49.05 97.4,49.05 97.32,49.14 97.31,49.14
  BOTTOM w0.15: 97.31,49.14 95.92,49.14 arc(95.82,49.13) 95.72,49.1 88.63,46.16 arc(87.58,45.6) 86.65,44.84 84.18,42.37 arc(83.62,41.52) 83.42,40.53 83.42,22.11 arc(83.72,20.63) 84.56,19.38 89.6,14.34 arc(89.86,13.94) 89.95,13.48 89.96,13.48 89.96,13.04 arc(89.92,12.86) 89.81,12.7 C2485.1
PCIE_TXD_7_N: length 52
  TOP w0.15: U1.AN3 v2(100.11,47.45)
  BOTTOM w0.102: 97.48,47.77 97.5,47.77 97.55,47.81 arc(97.59,47.84) 97.64,47.85 100.35,47.85 arc(100.46,47.8) 100.51,47.7 100.51,47.64 arc(100.45,47.51) 100.32,47.45 v2(100.11,47.45)
  BOTTOM w0.15: C2482.1 94.47,12.71 arc(94.36,12.88) 94.33,13.07 94.33,13.25 arc(94.28,13.49) 94.14,13.7 91.12,16.72 89.57,17.36 85.61,21.32 arc(85.17,21.98) 85.01,22.76 85.01,39.76 arc(85.15,40.46) 85.55,41.06 87.67,43.18 arc(88.65,43.99) 89.78,44.59 94.03,46.35 arc(94.12,46.35) 94.19,46.28 arc(94.26,46.22) 94.35,46.22 94.68,46.35 arc(94.74,46.42) 94.74,46.51 arc(94.74,46.61) 94.81,46.67 95.14,46.81 arc(95.23,46.81) 95.3,46.74 arc(95.36,46.68) 95.46,46.68 95.79,46.81 arc(95.85,46.88) 95.85,46.97 arc(95.85,47.06) 95.92,47.13 96.25,47.27 arc(96.34,47.27) 96.41,47.2 arc(96.47,47.14) 96.56,47.14 96.89,47.27 arc(96.96,47.34) 96.96,47.43 arc(96.96,47.52) 97.03,47.59 97.43,47.75 arc(97.45,47.76) 97.48,47.77
PCIE_TXD_7_P: length 52.1
  TOP w0.15: U1.AN4 v2(101.11,47.45)
  BOTTOM w0.102: v2(101.11,47.45) 100.9,47.45 arc(100.77,47.51) 100.71,47.64 100.71,47.7 arc(100.61,47.95) 100.35,48.05 97.64,48.05 arc(97.59,48.06) 97.55,48.09 97.5,48.14 97.48,48.14